# Allegro board pc051c_toplevel_209edited.brd
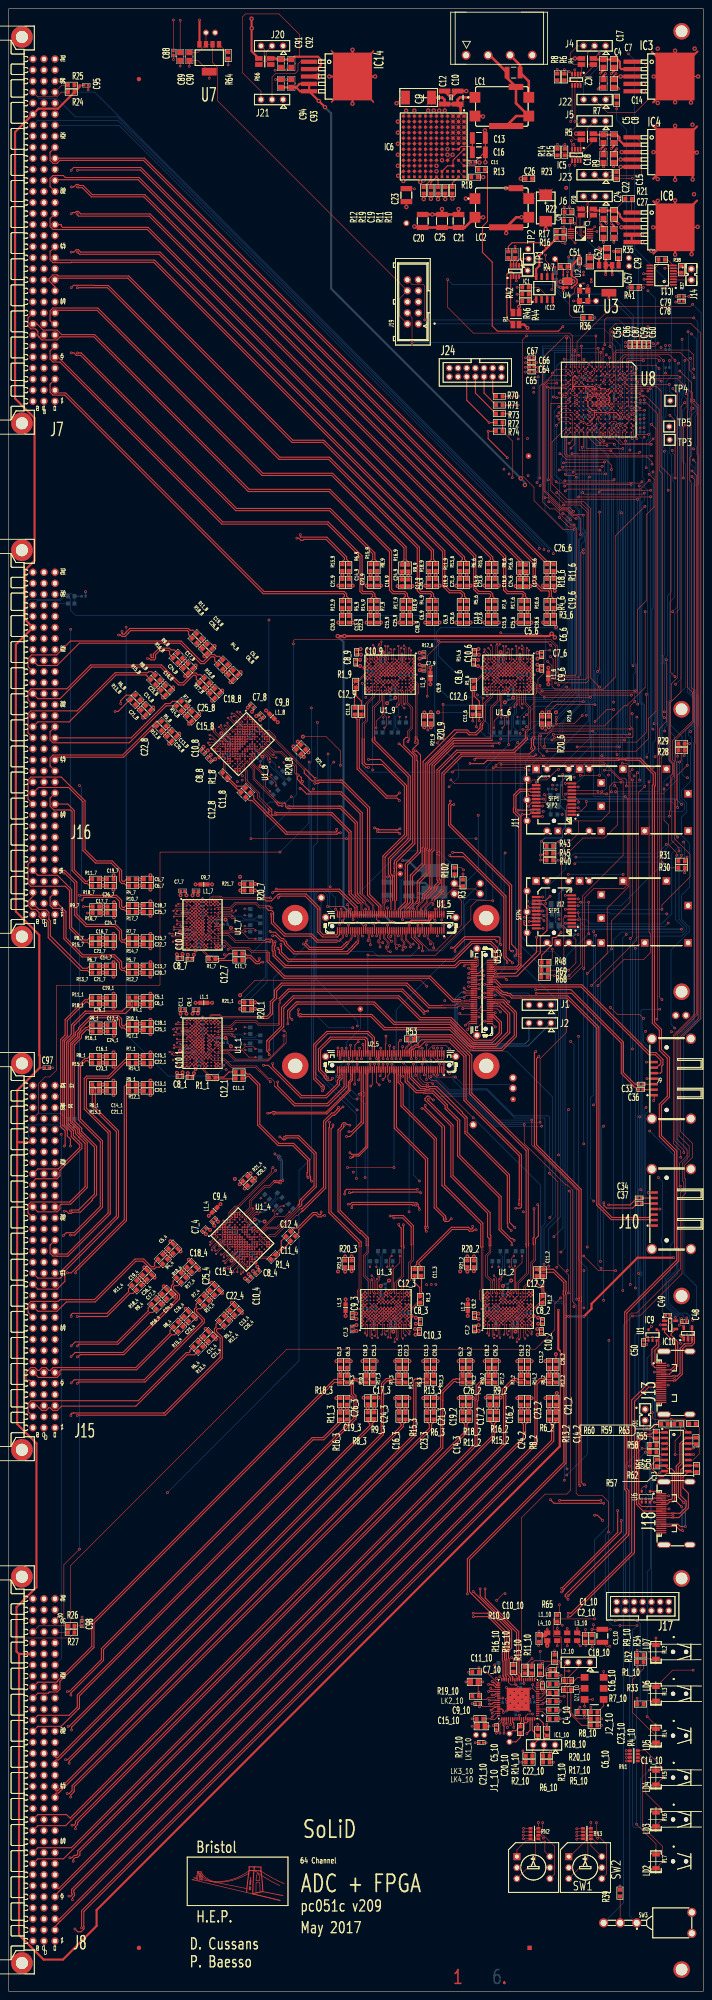
[diagram p0: board, top side]
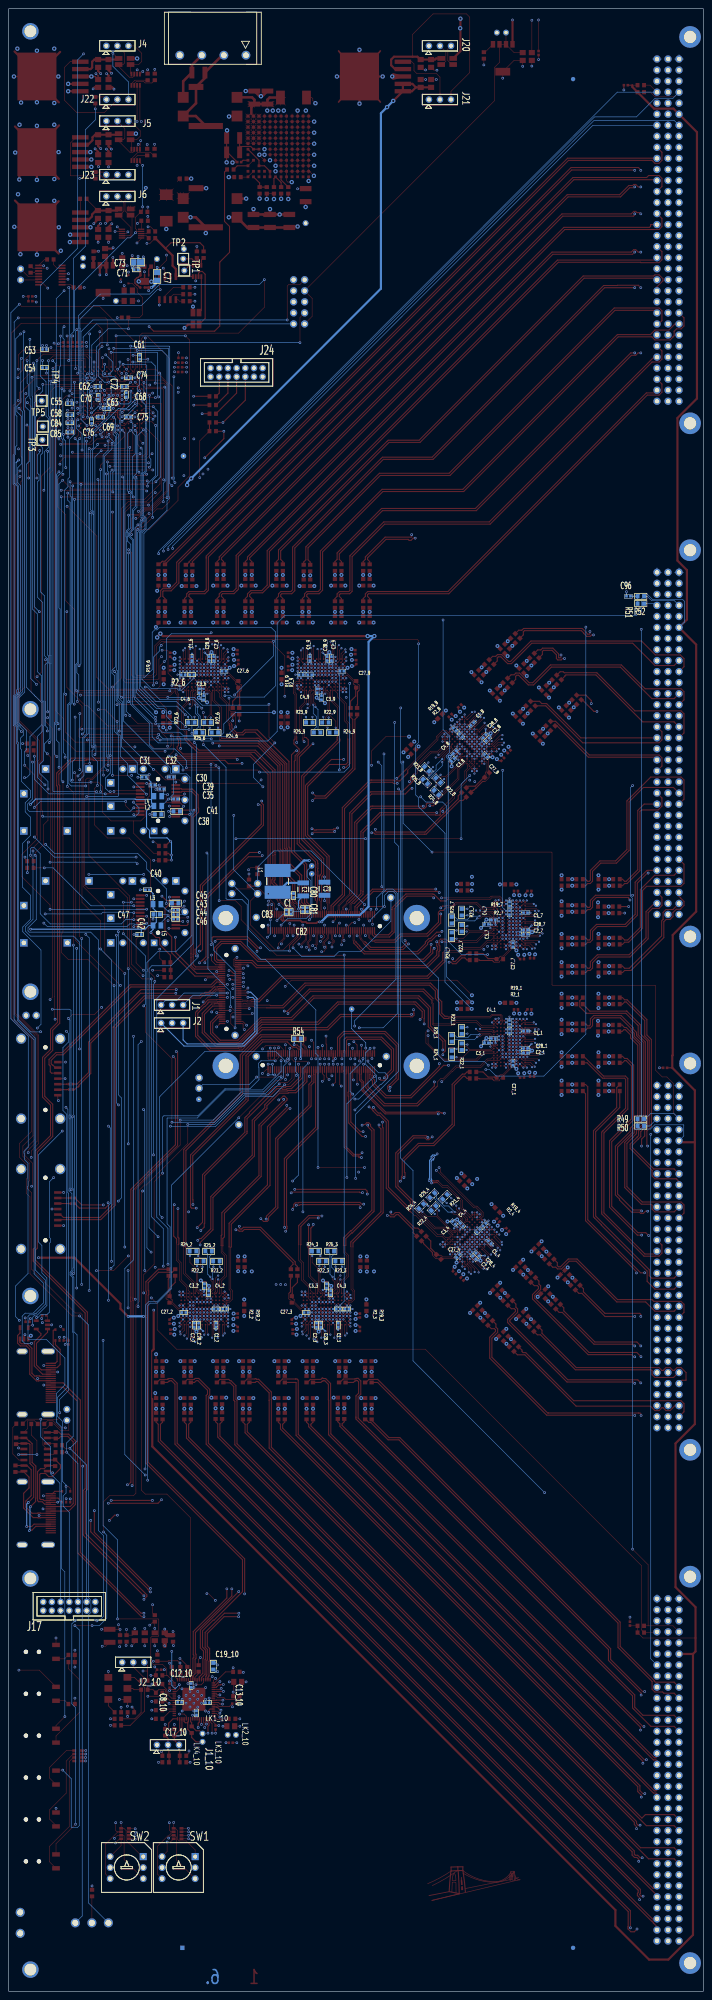
[diagram p1: board, bottom side, seen from below]

Outline 160 x 456.2 mm; copper layers: TOP, L2, L3, L4, L5, BOTTOM. Coordinates in mm from the lower left corner of the outline.
Outline path: rectangle 0,0 160,456.2

## Design rules (mm)
constraint set DEFAULT: min track width 0.129, pair gap 0.129
net group ANA_IN<0>: nets ANA_IN_N<0> ANA_IN_P<0>
net group ANA_IN<1>: nets ANA_IN_N<1> ANA_IN_P<1>
net group ANA_IN<2>: nets ANA_IN_N<2> ANA_IN_P<2>
net group ANA_IN<3>: nets ANA_IN_N<3> ANA_IN_P<3>
net group ANA_IN<4>: nets ANA_IN_N<4> ANA_IN_P<4>
net group ANA_IN<5>: nets ANA_IN_N<5> ANA_IN_P<5>
net group ANA_IN<6>: nets ANA_IN_N<6> ANA_IN_P<6>
net group ANA_IN<7>: nets ANA_IN_N<7> ANA_IN_P<7>
net group ANA_IN<8>: nets ANA_IN_N<8> ANA_IN_P<8>
net group ANA_IN<9>: nets ANA_IN_N<9> ANA_IN_P<9>
net group ANA_IN<10>: nets ANA_IN_N<10> ANA_IN_P<10>
net group ANA_IN<11>: nets ANA_IN_N<11> ANA_IN_P<11>
net group ANA_IN<12>: nets ANA_IN_N<12> ANA_IN_P<12>
net group ANA_IN<13>: nets ANA_IN_N<13> ANA_IN_P<13>
net group ANA_IN<14>: nets ANA_IN_N<14> ANA_IN_P<14>
net group ANA_IN<15>: nets ANA_IN_N<15> ANA_IN_P<15>
net group ANA_IN<16>: nets ANA_IN_N<16> ANA_IN_P<16>
net group ANA_IN<17>: nets ANA_IN_N<17> ANA_IN_P<17>
net group ANA_IN<18>: nets ANA_IN_N<18> ANA_IN_P<18>
net group ANA_IN<19>: nets ANA_IN_N<19> ANA_IN_P<19>
net group ANA_IN<20>: nets ANA_IN_N<20> ANA_IN_P<20>
net group ANA_IN<21>: nets ANA_IN_N<21> ANA_IN_P<21>
net group ANA_IN<22>: nets ANA_IN_N<22> ANA_IN_P<22>
net group ANA_IN<23>: nets ANA_IN_N<23> ANA_IN_P<23>
net group ANA_IN<24>: nets ANA_IN_N<24> ANA_IN_P<24>
net group ANA_IN<25>: nets ANA_IN_N<25> ANA_IN_P<25>
net group ANA_IN<26>: nets ANA_IN_N<26> ANA_IN_P<26>
net group ANA_IN<27>: nets ANA_IN_N<27> ANA_IN_P<27>
net group ANA_IN<28>: nets ANA_IN_N<28> ANA_IN_P<28>
net group ANA_IN<29>: nets ANA_IN_N<29> ANA_IN_P<29>
net group ANA_IN<30>: nets ANA_IN_N<30> ANA_IN_P<30>
net group ANA_IN<31>: nets ANA_IN_N<31> ANA_IN_P<31>
net group ANA_IN<32>: nets ANA_IN_N<32> ANA_IN_P<32>
net group ANA_IN<33>: nets ANA_IN_N<33> ANA_IN_P<33>
net group ANA_IN<34>: nets ANA_IN_N<34> ANA_IN_P<34>
net group ANA_IN<35>: nets ANA_IN_N<35> ANA_IN_P<35>
net group ANA_IN<36>: nets ANA_IN_N<36> ANA_IN_P<36>
net group ANA_IN<37>: nets ANA_IN_N<37> ANA_IN_P<37>
net group ANA_IN<38>: nets ANA_IN_N<38> ANA_IN_P<38>
net group ANA_IN<39>: nets ANA_IN_N<39> ANA_IN_P<39>
net group ANA_IN<40>: nets ANA_IN_N<40> ANA_IN_P<40>
net group ANA_IN<41>: nets ANA_IN_N<41> ANA_IN_P<41>
net group ANA_IN<42>: nets ANA_IN_N<42> ANA_IN_P<42>
net group ANA_IN<43>: nets ANA_IN_N<43> ANA_IN_P<43>
net group ANA_IN<44>: nets ANA_IN_N<44> ANA_IN_P<44>
net group ANA_IN<45>: nets ANA_IN_N<45> ANA_IN_P<45>
net group ANA_IN<46>: nets ANA_IN_N<46> ANA_IN_P<46>
net group ANA_IN<47>: nets ANA_IN_N<47> ANA_IN_P<47>
net group ANA_IN<48>: nets ANA_IN_N<48> ANA_IN_P<48>
net group ANA_IN<49>: nets ANA_IN_N<49> ANA_IN_P<49>
net group ANA_IN<50>: nets ANA_IN_N<50> ANA_IN_P<50>
net group ANA_IN<51>: nets ANA_IN_N<51> ANA_IN_P<51>
net group ANA_IN<52>: nets ANA_IN_N<52> ANA_IN_P<52>
net group ANA_IN<53>: nets ANA_IN_N<53> ANA_IN_P<53>
net group ANA_IN<54>: nets ANA_IN_N<54> ANA_IN_P<54>
net group ANA_IN<55>: nets ANA_IN_N<55> ANA_IN_P<55>
net group ANA_IN<56>: nets ANA_IN_N<56> ANA_IN_P<56>
net group ANA_IN<57>: nets ANA_IN_N<57> ANA_IN_P<57>
net group ANA_IN<58>: nets ANA_IN_N<58> ANA_IN_P<58>
net group ANA_IN<59>: nets ANA_IN_N<59> ANA_IN_P<59>
net group ANA_IN<60>: nets ANA_IN_N<60> ANA_IN_P<60>
net group ANA_IN<61>: nets ANA_IN_N<61> ANA_IN_P<61>
net group ANA_IN<62>: nets ANA_IN_N<62> ANA_IN_P<62>
net group ANA_IN<63>: nets ANA_IN_N<63> ANA_IN_P<63>
net group BUSY_OUT: nets BUSY_OUT_N BUSY_OUT_P
net group CLK: nets CLK+_1 CLK-_1
net group CLK9: nets CLK9_N_10 CLK9_P_10
net group CLK40_IN: nets CLK40_IN_N CLK40_IN_P
net group CLK<0>: nets CLK_N<0> CLK_P<0>
net group CLK<1>: nets CLK_N<1> CLK_P<1>
net group CLK<2>: nets CLK_N<2> CLK_P<2>
net group CLK<3>: nets CLK_N<3> CLK_P<3>
net group CLK<4>: nets CLK_N<4> CLK_P<4>
net group CLK<5>: nets CLK_N<5> CLK_P<5>
net group CLK<6>: nets CLK_N<6> CLK_P<6>
net group CLK<7>: nets CLK_N<7> CLK_P<7>
net group CLK_1: nets CLK+_2 CLK-_2
net group CLK_2: nets CLK+_3 CLK-_3
net group CLK_3: nets CLK+_4 CLK-_4
net group CLK_4: nets CLK+_6 CLK-_6
net group CLK_5: nets CLK+_7 CLK-_7
net group CLK_6: nets CLK+_8 CLK-_8
net group CLK_7: nets CLK+_9 CLK-_9
net group CLK_IN_AC: nets CLK_IN_AC_N_10 CLK_IN_AC_P_10
net group HDMI_PGOOD: nets HDMI_PGOOD_N HDMI_PGOOD_P
net group HDMI_TCK: nets HDMI_TCK_N HDMI_TCK_P
net group HDMI_TDI: nets HDMI_TDI_N HDMI_TDI_P
net group HDMI_TDO: nets HDMI_TDO_N HDMI_TDO_P
net group HDMI_TMS: nets HDMI_TMS_N HDMI_TMS_P
net group MGT_CLK: nets MGT_CLK_N MGT_CLK_P
net group MGT_RX<0>: nets MGT_RX_N<0> MGT_RX_P<0>
net group MGT_RX<1>: nets MGT_RX_N<1> MGT_RX_P<1>
net group MGT_RX<2>: nets MGT_RX_N<2> MGT_RX_P<2>
net group MGT_RX<3>: nets MGT_RX_N<3> MGT_RX_P<3>
net group MGT_TX<0>: nets MGT_TX_N<0> MGT_TX_P<0>
net group MGT_TX<1>: nets MGT_TX_N<1> MGT_TX_P<1>
net group MGT_TX<2>: nets MGT_TX_N<2> MGT_TX_P<2>
net group MGT_TX<3>: nets MGT_TX_N<3> MGT_TX_P<3>
net group OUT<2>: nets OUT_N<2> OUT_P<2>
net group OUT<3>: nets OUT_N<3> OUT_P<3>
net group OUT<4>: nets OUT_N<4> OUT_P<4>
net group SFP_PRESENT: nets SFP_PRESENT<0> SFP_PRESENT<1>
net group SFP_TX_FAULT: nets SFP_TX_FAULT<0> SFP_TX_FAULT<1>
net group SYNC_IN: nets SYNC_IN_N SYNC_IN_P
net group TRIG_IN: nets TRIG_IN_N TRIG_IN_P
net group ADC_CSA: nets ADC_CSA<0> ADC_CSA<1> ADC_CSA<2> ADC_CSA<3> ADC_CSA<4> ADC_CSA<5> ADC_CSA<6> ADC_CSA<7>
net group ADC_CSB: nets ADC_CSB<0> ADC_CSB<1> ADC_CSB<2> ADC_CSB<3> ADC_CSB<4> ADC_CSB<5> ADC_CSB<6> ADC_CSB<7>
net group ADC_SCK: nets ADC_SCK<0> ADC_SCK<1> ADC_SCK<2> ADC_SCK<3> ADC_SCK<4> ADC_SCK<5> ADC_SCK<6> ADC_SCK<7>
net group ADC_SDI: nets ADC_SDI<0> ADC_SDI<1> ADC_SDI<2> ADC_SDI<3> ADC_SDI<4> ADC_SDI<5> ADC_SDI<6> ADC_SDI<7>
net group ADC_SDOA: nets ADC_SDOA<0> ADC_SDOA<1> ADC_SDOA<2> ADC_SDOA<3> ADC_SDOA<4> ADC_SDOA<5> ADC_SDOA<6> ADC_SDOA<7>
net group ADC_SDOB: nets ADC_SDOB<0> ADC_SDOB<1> ADC_SDOB<2> ADC_SDOB<3> ADC_SDOB<4> ADC_SDOB<5> ADC_SDOB<6> ADC_SDOB<7>
net group AIN+: nets AIN+<1>_1 AIN+<1>_2 AIN+<1>_3 AIN+<1>_4 AIN+<1>_6 AIN+<1>_7 AIN+<1>_8 AIN+<1>_9 AIN+<2>_1 AIN+<2>_2 AIN+<2>_3 AIN+<2>_4 AIN+<2>_6 AIN+<2>_7 AIN+<2>_8 AIN+<2>_9 AIN+<3>_1 AIN+<3>_2 AIN+<3>_3 AIN+<3>_4 AIN+<3>_6 AIN+<3>_7 AIN+<3>_8 AIN+<3>_9 AIN+<4>_1 AIN+<4>_2 AIN+<4>_3 AIN+<4>_4 AIN+<4>_6 AIN+<4>_7 AIN+<4>_8 AIN+<4>_9 AIN+<5>_1 AIN+<5>_2 AIN+<5>_3 AIN+<5>_4 AIN+<5>_6 AIN+<5>_7 AIN+<5>_8 AIN+<5>_9 AIN+<6>_1 AIN+<6>_2 AIN+<6>_3 AIN+<6>_4 AIN+<6>_6 AIN+<6>_7 AIN+<6>_8 AIN+<6>_9 AIN+<7>_1 AIN+<7>_2 AIN+<7>_3 AIN+<7>_4 AIN+<7>_6 AIN+<7>_7 AIN+<7>_8 AIN+<7>_9 AIN+<8>_1 AIN+<8>_2 AIN+<8>_3 AIN+<8>_4 AIN+<8>_6 AIN+<8>_7 AIN+<8>_8 AIN+<8>_9
net group AIN-: nets AIN-<1>_1 AIN-<1>_2 AIN-<1>_3 AIN-<1>_4 AIN-<1>_6 AIN-<1>_7 AIN-<1>_8 AIN-<1>_9 AIN-<2>_1 AIN-<2>_2 AIN-<2>_3 AIN-<2>_4 AIN-<2>_6 AIN-<2>_7 AIN-<2>_8 AIN-<2>_9 AIN-<3>_1 AIN-<3>_2 AIN-<3>_3 AIN-<3>_4 AIN-<3>_6 AIN-<3>_7 AIN-<3>_8 AIN-<3>_9 AIN-<4>_1 AIN-<4>_2 AIN-<4>_3 AIN-<4>_4 AIN-<4>_6 AIN-<4>_7 AIN-<4>_8 AIN-<4>_9 AIN-<5>_1 AIN-<5>_2 AIN-<5>_3 AIN-<5>_4 AIN-<5>_6 AIN-<5>_7 AIN-<5>_8 AIN-<5>_9 AIN-<6>_1 AIN-<6>_2 AIN-<6>_3 AIN-<6>_4 AIN-<6>_6 AIN-<6>_7 AIN-<6>_8 AIN-<6>_9 AIN-<7>_1 AIN-<7>_2 AIN-<7>_3 AIN-<7>_4 AIN-<7>_6 AIN-<7>_7 AIN-<7>_8 AIN-<7>_9 AIN-<8>_1 AIN-<8>_2 AIN-<8>_3 AIN-<8>_4 AIN-<8>_6 AIN-<8>_7 AIN-<8>_8 AIN-<8>_9
net group B13_P: nets CLK_P<8> OUT_P<0> OUT_P<1> OUT_P<29> OUT_P<30> OUT_P<31> OUT_P<32> OUT_P<33> OUT_P<34> OUT_P<35> OUT_P<36> OUT_P<37>
net group B14_N: nets BUS_SELECT<2> BUS_SELECT<4> BUSY_3V3 CLK_GEN_LOL* FPGA_LED I2C_SDA_FROM_FPGA IP_ADDRESS_SELECT<4> IP_ADDRESS_SELECT<5> IP_ADDRESS_SELECT<6> IP_ADDRESS_SELECT<7> OUT_N<61> OUT_N<63> SPI_CSN_FROM_FPGA SPI_SDI_FROM_FPGA
net group B14_P: nets BUS_SELECT<1> BUS_SELECT<3> CLK_GEN_RST_3V3* I2C_SCL_FROM_FPGA I2C_SDA_TO_FPGA IP_ADDRESS_SELECT<0> IP_ADDRESS_SELECT<1> IP_ADDRESS_SELECT<2> IP_ADDRESS_SELECT<3> OUT_P<61> OUT_P<63> SFP_LOS<0> SFP_LOS<1> SPI_SCK_FROM_FPGA SPI_SDO_FROM_ADC
net group B15_N: nets OUT_N<38> OUT_N<39> OUT_N<40> OUT_N<41> OUT_N<42> OUT_N<43> OUT_N<44> OUT_N<45> OUT_N<46> OUT_N<47> OUT_N<48> OUT_N<49> OUT_N<50> OUT_N<51> OUT_N<52> OUT_N<53> OUT_N<54> OUT_N<55> OUT_N<56> OUT_N<57> OUT_N<58> OUT_N<59> OUT_N<60> OUT_N<62>
net group B15_P: nets OUT_P<38> OUT_P<39> OUT_P<40> OUT_P<41> OUT_P<42> OUT_P<43> OUT_P<44> OUT_P<45> OUT_P<46> OUT_P<47> OUT_P<48> OUT_P<49> OUT_P<50> OUT_P<51> OUT_P<52> OUT_P<53> OUT_P<54> OUT_P<55> OUT_P<56> OUT_P<57> OUT_P<58> OUT_P<59> OUT_P<60> OUT_P<62>
net group B16_N: nets OUT_N<9> OUT_N<10> OUT_N<11> OUT_N<12> OUT_N<13> OUT_N<14> OUT_N<15> OUT_N<16> OUT_N<17> OUT_N<18> OUT_N<19> OUT_N<20> OUT_N<21> OUT_N<22> OUT_N<23> OUT_N<24> OUT_N<25> OUT_N<26> OUT_N<27> OUT_N<28>
net group B16_P: nets OUT_P<5> OUT_P<6> OUT_P<7> OUT_P<8> OUT_P<9> OUT_P<10> OUT_P<11> OUT_P<12> OUT_P<13> OUT_P<14> OUT_P<15> OUT_P<16> OUT_P<17> OUT_P<18> OUT_P<19> OUT_P<20> OUT_P<21> OUT_P<22> OUT_P<23> OUT_P<24> OUT_P<25> OUT_P<26> OUT_P<27> OUT_P<28>
net group BUS_SELECT: nets BUS_SELECT<0>
net group CLK<8>: nets CLK_N<8>
net group CPLD_LEDS: nets CPLD_LEDS<0> CPLD_LEDS<1> CPLD_LEDS<2> CPLD_LEDS<3>
net group GPIO: nets EXT_TEMP_ENABLE GPIO<0> GPIO<1> GPIO<2> GPIO<3> GPIO<4> GPIO<5> GPIO<6> GPIO<7> GPIO<8>
net group I2C_SCL: nets CLK_GEN_SCL_1V8 EXT_TEMP_SCL<0> EXT_TEMP_SCL<1> EXTERNAL_SCL<0> EXTERNAL_SCL<1> EXTERNAL_SCL<2> EXTERNAL_SCL<3> SERV_SCL SFP_SCL<0> SFP_SCL<1>
net group I2C_SDA: nets CLK_GEN_SDA_1V8 EXT_TEMP_SDA<0> EXT_TEMP_SDA<1> EXTERNAL_SDA<0> EXTERNAL_SDA<1> EXTERNAL_SDA<2> EXTERNAL_SDA<3> SERV_SDA SFP_SDA<0> SFP_SDA<1>
net group OUT<1>: nets OUT_N<1>
net group OUT<5>: nets OUT_N<5>
net group OUT<6>: nets OUT_N<6>
net group OUT<7>: nets OUT_N<7>
net group OUT<8>: nets OUT_N<8>
net group OUT_N: nets OUT_N<0> OUT_N<29> OUT_N<30> OUT_N<31> OUT_N<32> OUT_N<33> OUT_N<34> OUT_N<35> OUT_N<36> OUT_N<37>
net group UNNAMED_3_CAPCERSMDCL2_I119_: nets UNNAMED_3_CAPCERSMDCL2_I119_<0>
net group UNNAMED_3_CAPCERSMDCL2_I125_: nets UNNAMED_3_CAPCERSMDCL2_I125_<0>
net group UNNAMED_3_LTM4606_I115_DRVCC: nets UNNAMED_3_LTM4606_I115_DRVCC<0>
net group UNNAMED_3_LTM4606_I115_SGND: nets PSG
net group UNNAMED_3_LTM4606_I115_VOUT: nets P2V2

## Placement (name value [footprint] x y rotation side)
C1  1uF  [C0402]  94.35 252.15 90 bottom
C1_1  100nF  [C0402]  40.95 220.95 0 bottom
C1_2  100nF  [C0402]  112.25 153.3 90 bottom
C1_3  100nF  [C0402]  84.1 153.3 90 bottom
C1_4  100nF  [C0402]  49.2 172.36 45 bottom
C1_6  100nF  [C0402]  117.8 306.65 270 bottom
C1_7  100nF  [C0402]  40.95 248.2 0 bottom
C1_8  100nF  [C0402]  53.21 291.6 315 bottom
C1_9  100nF  [C0402]  90.65 306.65 270 bottom
C1_10  10uF  [C0603]  132.85 81.2 90 top
C2  10uF  [CAPC3225X279N]  92.15 253.55 90 bottom
C2_1  100nF  [C0402]  40.95 215.95 0 bottom
C2_2  100nF  [C0402]  117.25 153.3 90 bottom
C2_3  100nF  [C0402]  89.1 153.3 90 bottom
C2_4  100nF  [C0402]  52.74 168.83 45 bottom
C2_6  100nF  [C0402]  112.8 306.65 270 bottom
C2_7  100nF  [C0402]  40.95 243.2 0 bottom
C2_8  100nF  [C0402]  49.68 288.06 315 bottom
C2_9  100nF  [C0402]  85.65 306.65 270 bottom
C2_10  10uF  [C0603]  134.35 81.2 90 top
C3  10uF  [CAPC3225X279N]  87.25 253.7 90 bottom
C3_1  100nF  [C0402]  49.95 218.25 180 bottom
C3_2  100nF  [C0402]  114.95 162.3 270 bottom
C3_3  100nF  [C0402]  86.8 162.3 270 bottom
C3_4  100nF  [C0402]  57.48 176.82 225 bottom
C3_6  100nF  [C0402]  115.1 297.65 90 bottom
C3_7  100nF  [C0402]  49.95 245.5 180 bottom
C3_8  100nF  [C0402]  57.67 283.32 135 bottom
C3_9  100nF  [C0402]  87.95 297.65 90 bottom
C3_10  10uF  [CAPC3225X279N]  136.75 81.8 90 top
C4  22uF  [C0805]  137 443.6 90 top
C4_1  100nF  [C0402]  48.35 219.25 180 bottom
C4_2  100nF  [C0402]  113.95 160.7 270 bottom
C4_3  100nF  [C0402]  85.8 160.7 270 bottom
C4_4  100nF  [C0402]  55.64 176.39 225 bottom
C4_6  100nF  [C0402]  116.1 299.25 90 bottom
C4_7  100nF  [C0402]  48.35 246.5 180 bottom
C4_8  100nF  [C0402]  57.24 285.16 135 bottom
C4_9  100nF  [C0402]  88.95 299.25 90 bottom
C4_10  100nF  [C0402]  122.95 70.3 270 top
C5  22uF  [C0805]  137 426.3 90 top
C5_1  100pF  [C0603]  31.9 228.65 180 top
C5_2  100pF  [C0603]  104.55 144.25 270 top
C5_3  100pF  [C0603]  76.4 144.25 270 top
C5_4  100pF  [C0603]  37.36 171.41 225 top
C5_6  100pF  [C0603]  125.5 315.7 90 top
C5_7  100pF  [C0603]  31.9 255.9 180 top
C5_8  100pF  [C0603]  52.26 303.44 135 top
C5_9  100pF  [C0603]  98.35 315.7 90 top
C5_10  100nF  [C0402]  112.35 60.7 90 top
C6  10uF  [CAPC3225X279N]  116.3 441.5 0 top
C6_1  100pF  [C0603]  31.9 227.15 180 top
C6_2  100pF  [C0603]  106.05 144.25 270 top
C6_3  100pF  [C0603]  77.9 144.25 270 top
C6_4  100pF  [C0603]  38.42 170.35 225 top
C6_6  100pF  [C0603]  124 315.7 90 top
C6_7  100pF  [C0603]  31.9 254.4 180 top
C6_8  100pF  [C0603]  51.2 302.38 135 top
C6_9  100pF  [C0603]  96.85 315.7 90 top
C6_10  100nF  [C0603]  131.85 64.2 180 top
C7  22uF  [C0805]  139.4 443.6 90 top
C7_1  100nF  [C0402]  40.05 225.95 0 top
C7_2  100nF  [C0402]  107.25 152.4 90 top
C7_3  100nF  [C0402]  79.1 152.4 90 top
C7_4  100nF  [C0402]  45.03 175.26 45 top
C7_6  100nF  [C0402]  122.8 307.55 270 top
C7_7  100nF  [C0402]  40.05 253.2 0 top
C7_8  100nF  [C0402]  56.11 295.77 315 top
C7_9  100nF  [C0402]  95.65 307.55 270 top
C7_10  22uF  [C0805]  107.25 71.2 0 top
C8  22uF  [C0805]  139.4 426.3 90 top
C8_1  100nF  [C0402]  41.75 210.25 0 top
C8_2  100nF  [C0402]  122.95 154.1 90 top
C8_3  100nF  [C0402]  94.8 154.1 90 top
C8_4  100nF  [C0402]  57.34 165.36 45 top
C8_6  100nF  [C0402]  107.1 305.85 270 top
C8_7  100nF  [C0402]  41.75 237.5 0 top
C8_8  100nF  [C0402]  46.21 283.46 315 top
C8_9  100nF  [C0402]  79.95 305.85 270 top
C8_10  100nF  [C0402]  120.63 66.48 0 bottom
C9  150uF  [C7343POL]  97.4 435.75 180 top
C9_1  100nF  [C0402]  43.15 225.95 0 top
C9_2  100nF  [C0402]  107.25 155.5 90 top
C9_3  100nF  [C0402]  79.1 155.5 90 top
C9_4  100nF  [C0402]  47.22 177.45 45 top
C9_6  100nF  [C0402]  122.8 304.45 270 top
C9_7  100nF  [C0402]  43.15 253.2 0 top
C9_8  100nF  [C0402]  58.3 293.58 315 top
C9_9  100nF  [C0402]  95.65 304.45 270 top
C9_10  100nF  [C0402]  108.05 66.2 0 top
C10  10uF  [CAPC3225X279N]  103.4 435.75 270 top
C10_1  100nF  [C0402]  39.45 210.45 0 top
C10_2  100nF  [C0402]  122.75 151.8 90 top
C10_3  100nF  [C0402]  94.6 151.8 90 top
C10_4  100nF  [C0402]  55.57 163.88 45 top
C10_6  100nF  [C0402]  107.3 308.15 270 top
C10_7  100nF  [C0402]  39.45 237.7 0 top
C10_8  100nF  [C0402]  44.73 285.23 315 top
C10_9  100nF  [C0402]  80.15 308.15 270 top
C10_10  10uF  [C0603]  122.15 81.2 90 top
C11  100nF  [C0402]  106.9 420.9 180 top
C11_1  100nF  [C0603]  53.05 210.05 180 top
C11_2  100nF  [C0603]  123.15 165.4 270 top
C11_3  100nF  [C0603]  95 165.4 270 top
C11_4  100nF  [C0603]  65.47 173.21 225 top
C11_6  100nF  [C0603]  106.9 294.55 90 top
C11_7  100nF  [C0603]  53.05 237.3 180 top
C11_8  100nF  [C0603]  54.06 275.33 135 top
C11_9  100nF  [C0603]  79.75 294.55 90 top
C11_10  10uF  [C0603]  107.55 73.5 0 top
C12  10uF  [CAPC3225X279N]  100.4 435.75 270 top
C12_1  100nF  [C0603]  53.05 211.55 180 top
C12_2  100nF  [C0603]  121.65 165.4 270 top
C12_3  100nF  [C0603]  93.5 165.4 270 top
C12_4  100nF  [C0603]  64.41 174.27 225 top
C12_6  100nF  [C0603]  108.4 294.55 90 top
C12_7  100nF  [C0603]  53.05 238.8 180 top
C12_8  100nF  [C0603]  55.12 276.39 135 top
C12_9  100nF  [C0603]  81.25 294.55 90 top
C12_10  100nF  [C0402]  117.97 70.38 90 bottom
C13  10uF  [CAPC3225X279N]  108.3 426.45 180 top
C13_1  100pF  [C0603]  31.9 208.65 180 top
C13_2  100pF  [C0603]  124.55 144.25 270 top
C13_3  100pF  [C0603]  96.4 144.25 270 top
C13_4  100pF  [C0603]  51.5 157.27 225 top
C13_6  100pF  [C0603]  105.5 315.7 90 top
C13_7  100pF  [C0603]  31.9 235.9 180 top
C13_8  100pF  [C0603]  38.12 289.3 135 top
C13_9  100pF  [C0603]  78.35 315.7 90 top
C13_10  100nF  [C0402]  114.23 66.41 180 bottom
C14  22uF  [C0805]  139.4 439 270 top
C14_1  100pF  [C0603]  23.4 208.65 180 top
C14_2  100pF  [C0603]  124.55 135.75 270 top
C14_3  100pF  [C0603]  96.4 135.75 270 top
C14_4  100pF  [C0603]  45.49 151.26 225 top
C14_6  100pF  [C0603]  105.5 324.2 90 top
C14_7  100pF  [C0603]  23.4 235.9 180 top
C14_8  100pF  [C0603]  32.11 295.31 135 top
C14_9  100pF  [C0603]  78.35 324.2 90 top
C14_10  100nF  [C0603]  128.75 69.4 0 top
C15  22uF  [C0805]  139.4 421.7 270 top
C15_1  100pF  [C0603]  31.9 215.15 180 top
C15_2  100pF  [C0603]  118.05 144.25 270 top
C15_3  100pF  [C0603]  89.9 144.25 270 top
C15_4  100pF  [C0603]  46.91 161.86 225 top
C15_6  100pF  [C0603]  112 315.7 90 top
C15_7  100pF  [C0603]  31.9 242.4 180 top
C15_8  100pF  [C0603]  42.71 293.89 135 top
C15_9  100pF  [C0603]  84.85 315.7 90 top
C15_10  22uF  [C0805]  108.85 61 0 top
C16  10uF  [CAPC3225X279N]  108.3 423.15 180 top
C16_1  100pF  [C0603]  23.4 215.15 180 top
C16_2  100pF  [C0603]  118.05 135.75 270 top
C16_3  100pF  [C0603]  89.9 135.75 270 top
C16_4  100pF  [C0603]  40.9 155.85 225 top
C16_6  100pF  [C0603]  112 324.2 90 top
C16_7  100pF  [C0603]  23.4 242.4 180 top
C16_8  100pF  [C0603]  36.7 299.9 135 top
C16_9  100pF  [C0603]  84.85 324.2 90 top
C16_10  100nF  [C0603]  128.75 71.5 0 top
C17  22uF  [C0805]  137 439 270 top
C17_1  100pF  [C0603]  23.5 222.35 180 top
C17_2  100pF  [C0603]  110.85 135.85 270 top
C17_3  100pF  [C0603]  82.7 135.85 270 top
C17_4  100pF  [C0603]  35.87 161.01 225 top
C17_6  100pF  [C0603]  119.2 324.1 90 top
C17_7  100pF  [C0603]  23.5 249.6 180 top
C17_8  100pF  [C0603]  41.86 304.93 135 top
C17_9  100pF  [C0603]  92.05 324.1 90 top
C17_10  100nF  [C0402]  116.74 64.05 270 bottom
C18  22uF  [C0805]  137 421.7 270 top
C18_1  100pF  [C0603]  31.9 222.65 180 top
C18_2  100pF  [C0603]  110.55 144.25 270 top
C18_3  100pF  [C0603]  82.4 144.25 270 top
C18_4  100pF  [C0603]  41.6 167.17 225 top
C18_6  100pF  [C0603]  119.5 315.7 90 top
C18_7  100pF  [C0603]  31.9 249.9 180 top
C18_8  100pF  [C0603]  48.02 299.2 135 top
C18_9  100pF  [C0603]  92.35 315.7 90 top
C18_10  100nF  [C0402]  125.35 74 0 top
C19  100pF  [C0603]  98.9 414.4 270 top
C19_1  100pF  [C0603]  23.4 228.65 180 top
C19_2  100pF  [C0603]  104.55 135.75 270 top
C19_3  100pF  [C0603]  76.4 135.75 270 top
C19_4  100pF  [C0603]  31.35 165.4 225 top
C19_6  100pF  [C0603]  125.5 324.2 90 top
C19_7  100pF  [C0603]  23.4 255.9 180 top
C19_8  100pF  [C0603]  46.25 309.45 135 top
C19_9  100pF  [C0603]  98.35 324.2 90 top
C19_10  10uF  [C0603]  112.85 74.8 270 bottom
C20  47uF  [C1210]  95.36 407.36 90 top
C20_1  100pF  [C0603]  31.9 207.15 180 top
C20_2  100pF  [C0603]  126.05 144.25 270 top
C20_3  100pF  [C0603]  97.9 144.25 270 top
C20_4  100pF  [C0603]  52.56 156.21 225 top
C20_6  100pF  [C0603]  104 315.7 90 top
C20_7  100pF  [C0603]  31.9 234.4 180 top
C20_8  100pF  [C0603]  37.06 288.24 135 top
C20_9  100pF  [C0603]  76.85 315.7 90 top
C20_10  100nF  [C0603]  123.95 59.6 90 top
C21  47uF  [C1210]  103.61 407.36 90 top
C21_1  100pF  [C0603]  23.4 207.15 180 top
C21_2  100pF  [C0603]  126.05 135.75 270 top
C21_3  100pF  [C0603]  97.9 135.75 270 top
C21_4  100pF  [C0603]  46.55 150.2 225 top
C21_6  100pF  [C0603]  104 324.2 90 top
C21_7  100pF  [C0603]  23.4 234.4 180 top
C21_8  100pF  [C0603]  31.05 294.25 135 top
C21_9  100pF  [C0603]  76.85 324.2 90 top
C21_10  100nF  [C0402]  108.85 57.2 0 top
C22  22uF  [C0805]  139.45 408.85 90 top
C22_1  100pF  [C0603]  31.9 213.65 180 top
C22_2  100pF  [C0603]  119.55 144.25 270 top
C22_3  100pF  [C0603]  91.4 144.25 270 top
C22_4  100pF  [C0603]  47.97 160.8 225 top
C22_6  100pF  [C0603]  110.5 315.7 90 top
C22_7  100pF  [C0603]  31.9 240.9 180 top
C22_8  100pF  [C0603]  41.65 292.83 135 top
C22_9  100pF  [C0603]  83.35 315.7 90 top
C22_10  100nF  [C0603]  121.85 59.6 90 top
C23  47uF  [C1210]  91.6 413.3 90 top
C23_1  100pF  [C0603]  23.4 213.65 180 top
C23_2  100pF  [C0603]  119.55 135.75 270 top
C23_3  100pF  [C0603]  91.4 135.75 270 top
C23_4  100pF  [C0603]  41.96 154.79 225 top
C23_6  100pF  [C0603]  110.5 324.2 90 top
C23_7  100pF  [C0603]  23.4 240.9 180 top
C23_8  100pF  [C0603]  35.64 298.84 135 top
C23_9  100pF  [C0603]  83.35 324.2 90 top
C23_10  10uF  [C0603]  125.75 76.7 270 top
C24  22uF  [C0805]  137 408.85 90 top
C24_1  100pF  [C0603]  23.5 220.85 180 top
C24_2  100pF  [C0603]  112.35 135.85 270 top
C24_3  100pF  [C0603]  84.2 135.85 270 top
C24_4  100pF  [C0603]  36.94 159.95 225 top
C24_6  100pF  [C0603]  117.7 324.1 90 top
C24_7  100pF  [C0603]  23.5 248.1 180 top
C24_8  100pF  [C0603]  40.8 303.86 135 top
C24_9  100pF  [C0603]  90.55 324.1 90 top
C25  47uF  [C1210]  99.81 407.36 90 top
C25_1  100pF  [C0603]  31.9 221.15 180 top
C25_2  100pF  [C0603]  112.05 144.25 270 top
C25_3  100pF  [C0603]  83.9 144.25 270 top
C25_4  100pF  [C0603]  42.66 166.11 225 top
C25_6  100pF  [C0603]  118 315.7 90 top
C25_7  100pF  [C0603]  31.9 248.4 180 top
C25_8  100pF  [C0603]  46.96 298.14 135 top
C25_9  100pF  [C0603]  90.85 315.7 90 top
C26  2.2uF  [C0603]  119.8 417.1 0 top
C26_1  100pF  [C0603]  23.4 227.15 180 top
C26_2  100pF  [C0603]  106.05 135.75 270 top
C26_3  100pF  [C0603]  77.9 135.75 270 top
C26_4  100pF  [C0603]  32.41 164.34 225 top
C26_6  100pF  [C0603]  124 324.2 90 top
C26_7  100pF  [C0603]  23.4 254.4 180 top
C26_8  100pF  [C0603]  45.19 308.39 135 top
C26_9  100pF  [C0603]  96.85 324.2 90 top
C27  22uF  [C0805]  139.4 404.5 270 top
C27_1  100nF  [C0402]  43.85 213.55 90 bottom
C27_2  100nF  [C0402]  119.65 156.2 180 bottom
C27_3  100nF  [C0402]  91.5 156.2 180 bottom
C27_4  100nF  [C0402]  56.49 169.18 135 bottom
C27_6  100nF  [C0402]  110.4 303.75 0 bottom
C27_7  100nF  [C0402]  43.85 240.8 90 bottom
C27_8  100nF  [C0402]  50.03 284.31 45 bottom
C27_9  100nF  [C0402]  83.25 303.75 0 bottom
C28  220uF  [POSCAP_D3]  123.7 413.4 270 top
C28_1  100nF  [C0402]  40.95 216.95 0 bottom
C28_2  100nF  [C0402]  116.25 153.3 90 bottom
C28_3  100nF  [C0402]  88.1 153.3 90 bottom
C28_4  100nF  [C0402]  52.03 169.54 45 bottom
C28_6  100nF  [C0402]  113.8 306.65 270 bottom
C28_7  100nF  [C0402]  40.95 244.2 0 bottom